# Allegro board PowerBoardChina.brd

Outline 90.17 x 73.69 mm; copper layers: TOP, BOTTOM. Coordinates in mm from the lower left corner of the outline.
Outline path: 0,73.69 0,0 90.17,0 90.17,73.69 0,73.69

## Design rules (mm)
constraint set DEFAULT: min track width 0.127

## Placement (name value [footprint] x y rotation side)
C1  1u  [SIP2]  62.48 53.98 90 top
C2  100n  [SIP2]  35.69 47.32 0 top
C3  100u  [SIP2]  28.24 47.32 0 top
C4  1u  [SIP2]  62.48 35.1 90 top
C5  100n  [SIP2]  35.69 28.27 0 top
C6  100u  [SIP2]  28.24 28.27 0 top
C7  1u  [SIP2]  62.51 15.93 90 top
C8  100n  [SIP2]  35.69 9.27 0 top
C9  100u  [SIP2]  28.24 9.22 0 top
CONNECTOR1  2x2HighCurrentConnector  [4PINMOLEX]  12.07 47.62 180 top
CONNECTOR2  2x2HighCurrentConnector  [4PINMOLEX]  12.07 28.57 180 top
CONNECTOR3  2x2HighCurrentConnector  [4PINMOLEX]  12.07 9.52 180 top
CONNECTOR4  3pin Dupont  [SIP3]  55.25 53.98 270 top
CONNECTOR5  3pin Dupont  [SIP3]  55.25 34.93 270 top
CONNECTOR6  3pin Dupont  [SIP3]  55.25 15.87 270 top
CONNECTOR7  2x2 HighCurrent Connector  [4PINMOLEX]  12.07 66.67 180 top
NOREF  -  []  70.48 60.32 0 top
NOREF#2  -  [unnamed#2]  83.19 66.67 0 top
NOREF#3  -  [unnamed#2]  9.53 57.79 0 top
NOREF#4  -  [unnamed#2]  84.45 6.98 0 top
NOREF#5  -  [unnamed#2]  9.53 19.68 0 top
R1  Potentiometer  [SIP3]  43.79 55.12 270 top
R2  Potentiometer  [SIP3]  43.84 36.04 270 top
R3  Potentiometer  [SIP3]  43.76 16.94 270 top
REG1  PT63XX  [SIP12OFFSET]  73.02 42.54 270 top
REG2  PT63XX  [SIP12OFFSET]  73.02 23.49 270 top
REG3  PT63XX  [SIP12OFFSET]  73.02 4.45 270 top
U1  AutoFuse  [BLADEFUSE]  29.84 64.13 270 top
U2  PolyFuse  [1CMPOLYFUSE]  80.75 57.56 180 top
U3  PolyFuse  [1CMPOLYFUSE]  80.49 38.86 180 top
U4  PolyFuse  [1CMPOLYFUSE]  80.57 19.56 180 top

## Library data of the parts
C1-C9 = C
CONNECTOR1-CONNECTOR3 CONNECTOR7 = 2x2HighCurrentConnector
CONNECTOR4-CONNECTOR6 = 3Pin
R1-R3 = Potentiometer
REG1-REG3 = PT63XX
U1 = AutoFuse
U2-U4 = PolyFuse

## Footprints (pads in the part's own frame, mm; a bottom-side part is the same pattern mirrored in y, then rotated)
1CMPOLYFUSE
  round 1.524 hole 1.02: 1(0,0) 2(9.982,0)
4PINMOLEX
  round 3.302 hole 2.997: (5.004,-0.076)
  round 2.54 hole 1.778: 1(-7.874,2.083) 2(-7.874,-2.083) 3(-2.286,-2.083) 4(-2.286,2.083)
BLADEFUSE
  round 2.286 hole 1.524: 1(0,0) 2(0,3.556) 3(0,8.128) 4(0,11.684)
SIP2
  round 1.524 hole 1.02: 1(0,0) 2(0,-2.54)
SIP3
  round 1.524 hole 1.02: 1(0,0) 2(0,-2.54) 3(0,-5.08)
SIP12OFFSET
  round 1.524 hole 1.02: 1(0,0) 2(0,-2.54) 3(0,-5.08) 4(0,-7.62) 5(0,-10.16) 6(0,-12.7) 7(0,-15.24) 8(0,-17.78) 9(0,-20.32) 10(0,-22.86) 11(0,-25.4) 12(0,-27.94)
unnamed#2
  round 4.318 hole 3.81: (0,0)

## Nets
0: C1.1 C2.1 C3.1 C4.1 C5.1 C6.1 C7.1 C8.1 C9.1 CONNECTOR1.1 CONNECTOR1.2 CONNECTOR2.1 CONNECTOR2.2 CONNECTOR3.1 CONNECTOR3.2 CONNECTOR4.1 CONNECTOR5.1 CONNECTOR6.1 CONNECTOR7.3 CONNECTOR7.4 REG1.5 REG1.6 REG1.7 REG1.8 REG2.5 REG2.6 REG2.7 REG2.8 REG3.5 REG3.6 REG3.7 REG3.8
N01796: CONNECTOR7.1 CONNECTOR7.2 U1.1 U1.2
N01838: U1.3(PROTECTED2) U1.4 U2.1 U3.1 U4.1
N01845: C7.2 REG3.2 REG3.3 REG3.4 U4.2(PROTECTED)
N01895: C8.2 C9.2 CONNECTOR3.3 CONNECTOR3.4 CONNECTOR6.3(PIN3) REG3.9 REG3.10 REG3.11(OUT3)
N01966: R3.2 REG3.12
N01970: CONNECTOR6.2 R3.1(VCC)
N02323: C4.2 REG2.2 REG2.3 REG2.4 U3.2(PROTECTED)
N02465: CONNECTOR5.2 R2.1(VCC)
N02472: C5.2 C6.2 CONNECTOR2.3 CONNECTOR2.4 CONNECTOR5.3(PIN3) REG2.9 REG2.10 REG2.11(OUT3)
N02689: R2.2 REG2.12
N03186: C1.2 REG1.2 REG1.3 REG1.4 U2.2(PROTECTED)
N03425: C2.2 C3.2 CONNECTOR1.3 CONNECTOR1.4 CONNECTOR4.3(PIN3) REG1.9 REG1.10 REG1.11(OUT3)
N03723: CONNECTOR4.2 R1.1(VCC)
N03730: R1.2 REG1.12

Pads without a net: R1 3; R2 3; R3 3; REG1 1; REG2 1; REG3 1

## Routing (per net, layer and track width the routed paths; a pad name or vN(x,y) marks a point on that pad's centre or on a via; arc(x,y) is an arc through that point)
0: length 149.5
  TOP w0.635: 62.86,22.05 REG2.5 62.86,24.94 ; 17.98,45.54 CONNECTOR1.1 ; CONNECTOR1.1 19.94,43.59 ; CONNECTOR1.1 21.9,45.54 ; CONNECTOR1.1 19.94,47.5 ; 57.79,41.1 REG1.7 57.79,43.99 ; 12.39,64.59 CONNECTOR7.4 ; CONNECTOR7.4 14.35,66.55 ; CONNECTOR7.4 14.35,62.64 ; CONNECTOR7.4 16.31,64.59 ; 12.39,68.76 CONNECTOR7.3 ; CONNECTOR7.3 14.35,70.71 ; CONNECTOR7.3 16.31,68.76 ; CONNECTOR7.3 14.35,66.8 ; 26.8,47.32 C3.1 ; C3.1 29.69,47.32 ; C3.1 28.24,48.77 ; C7.1 62.51,17.37 ; C7.1 62.51,14.48 ; C7.1 61.06,15.93 ; 60.33,22.05 REG2.6 60.33,24.94 ; C5.1 37.14,28.27 ; C5.1 34.24,28.27 ; C5.1 35.69,29.72 ; 61.04,53.98 C1.1 ; C1.1 62.48,55.42 ; C1.1 62.48,52.53 ; CONNECTOR2.2 21.9,30.66 ; CONNECTOR2.2 19.94,28.7 ; CONNECTOR2.2 17.98,30.66 ; CONNECTOR2.2 19.94,32.61 ; 60.33,3 REG3.6 60.33,5.89 ; CONNECTOR2.1 19.94,28.45 ; CONNECTOR2.1 17.98,26.49 ; CONNECTOR2.1 21.9,26.49 ; CONNECTOR2.1 19.94,24.54 ; 55.25,24.94 REG2.8 55.25,22.05 ; CONNECTOR6.1 55.25,17.32 ; CONNECTOR6.1 56.69,15.87 ; CONNECTOR6.1 55.25,14.43 ; 55.25,43.99 REG1.8 55.25,41.1 ; 57.79,24.94 REG2.7 57.79,22.05 ; 61.04,35.1 C4.1 ; C4.1 62.48,36.55 ; C4.1 62.48,33.65 ; 26.8,9.22 C9.1 ; C9.1 28.24,10.67 ; C9.1 29.69,9.22 ; 55.25,52.53 CONNECTOR4.1 ; CONNECTOR4.1 55.25,55.42 ; CONNECTOR4.1 56.69,53.98 ; 62.86,3 REG3.5 62.86,5.89 ; 55.25,3 REG3.8 55.25,5.89 ; 26.8,28.27 C6.1 ; C6.1 29.69,28.27 ; C6.1 28.24,29.72 ; 60.33,41.1 REG1.6 60.33,43.99 ; 57.79,3 REG3.7 57.79,5.89 ; CONNECTOR5.1 55.25,36.37 ; CONNECTOR5.1 56.69,34.93 ; CONNECTOR5.1 55.25,33.48 ; C2.1 35.69,48.77 ; C2.1 34.24,47.32 ; C2.1 37.14,47.32 ; 19.94,47.75 CONNECTOR1.2 ; CONNECTOR1.2 17.98,49.71 ; CONNECTOR1.2 19.94,51.66 ; CONNECTOR1.2 21.9,49.71 ; CONNECTOR3.2 19.94,13.56 ; CONNECTOR3.2 19.94,9.65 ; CONNECTOR3.2 21.9,11.61 ; CONNECTOR3.2 17.98,11.61 ; C8.1 37.14,9.27 ; C8.1 35.69,10.72 ; C8.1 34.24,9.27 ; 17.98,7.44 CONNECTOR3.1 ; CONNECTOR3.1 21.9,7.44 ; CONNECTOR3.1 19.94,5.49 ; CONNECTOR3.1 19.94,9.4 ; 62.86,41.1 REG1.5 62.86,43.99
N01796: length 17.8
  BOTTOM w3.81: CONNECTOR7.2 CONNECTOR7.1 26.21,64.59 26.67,64.13 U1.1 U1.2
N01838: length 85.2
  BOTTOM w3.81: U4.1 80.57,22.35 80.49,22.43 U3.1 80.49,41.66 80.75,41.91 U2.1 80.64,57.66 80.64,60.35 76.86,64.13 U1.4 U1.3
N01845: length 33.6
  BOTTOM w1.27: 65.96,6.4 68.53,6.4 REG3.2 ; 65.96,6.4 63.48,6.4 63.46,6.39 ; 65.96,6.4 67.92,4.45 REG3.3 67.95,4.55 ; 63.46,6.39 REG3.4 ; 63.46,6.39 61.54,8.31 61.54,12.42 C7.2 66.57,15.93 66.62,15.98 69.29,15.98 70.59,17.27 U4.2
N01895: length 62.4
  BOTTOM w0.762: CONNECTOR6.3 REG3.10
  BOTTOM w1.27: 50.17,2.72 47.63,2.72 ; 50.17,2.72 REG3.10 ; 50.17,2.72 50.98,2.72 REG3.9 ; 47.63,2.72 42.42,2.72 38.48,6.65 37.29,6.65 37.21,6.73 C8.2 35.64,6.68 C9.2 26.39,6.68 23.62,3.91 17.88,3.91 CONNECTOR3.4 CONNECTOR3.3 ; 47.63,2.72 REG3.11
N01966: length 14.1
  BOTTOM w0.762: R3.2 41.22,15.93 41.27,15.87 41.27,14.6 41.25,14.58 41.25,11.84 45.08,8 REG3.12
N01970: length 11.5
  BOTTOM w0.762: R3.1 45.29,18.47 51.56,18.47 52.7,17.32 CONNECTOR6.2
N02323: length 34.7
  BOTTOM w1.27: 63.27,25.63 REG2.4 ; 63.27,25.63 61.54,27.36 61.54,31.62 65.02,35.1 66.55,35.1 66.6,35.05 69.27,35.05 70.51,36.3 U3.2 ; 63.27,25.63 63.42,25.78 65.66,25.78 ; 65.66,25.78 68.2,25.78 REG2.2 ; 65.66,25.78 REG2.3
N02465: length 10.1
  BOTTOM w0.762: R2.1 44.74,36.94 47.62,36.94 47.73,36.83 50.8,36.83 CONNECTOR5.2
N02472: length 62.7
  BOTTOM w0.762: CONNECTOR5.3 REG2.10
  BOTTOM w1.27: REG2.9 50.93,21.72 50.14,21.72 ; 47.6,21.72 47.63,21.74 REG2.11 ; 47.6,21.72 50.14,21.72 ; 47.6,21.72 42.52,21.72 38.56,25.68 37.26,25.68 37.21,25.73 C5.2 C6.2 26.62,25.73 23.65,22.76 18.08,22.76 CONNECTOR2.4 CONNECTOR2.3 ; 50.14,21.72 50.17,21.74 REG2.10
N02689: length 14.1
  BOTTOM w0.762: REG2.12 45.08,26.54 41.33,30.3 41.33,33.6 41.27,33.65 41.27,34.93 41.3,34.95 R2.2
N03186: length 35.5
  BOTTOM w1.27: REG1.3 67.95,42.88 65.58,45.24 ; REG1.2 67.79,45.24 65.58,45.24 ; 62.71,45.24 61.6,46.35 61.6,50.55 65.02,53.98 69.39,53.98 70.74,55.32 70.74,56.77 70.76,56.79 U2.2 ; 62.71,45.24 65.58,45.24 ; 62.71,45.24 REG1.4
N03425: length 63.1
  BOTTOM w0.762: REG1.10 CONNECTOR4.3
  BOTTOM w1.27: 47.4,40.59 47.63,40.82 REG1.11 ; 47.4,40.59 49.94,40.59 ; 47.4,40.59 42.29,40.59 38.02,44.86 35.76,44.86 C2.2 C3.2 26.29,44.78 23.72,42.21 17.68,42.21 CONNECTOR1.4 CONNECTOR1.3 ; 49.94,40.59 50.17,40.82 REG1.10 ; 49.94,40.59 50.75,40.59 REG1.9
N03723: length 10.1
  BOTTOM w0.762: CONNECTOR4.2 50.7,55.98 50.06,55.98 50.03,56.02 44.69,56.02 R1.1
N03730: length 14.2
  BOTTOM w0.762: REG1.12 45.08,45.42 41.25,49.25 41.25,52.68 41.27,52.7 41.27,53.98 41.25,54 R1.2

## Copper pours and planes (outline as drawn; the poured copper is in the pictures)
0 on TOP: 2.03,71.73 88.14,71.73 88.14,2.03 2.03,2.03
